# Altium PCB IntelligentCarFor51PcbDoc.PcbDoc (part 8 of 14) (continued)
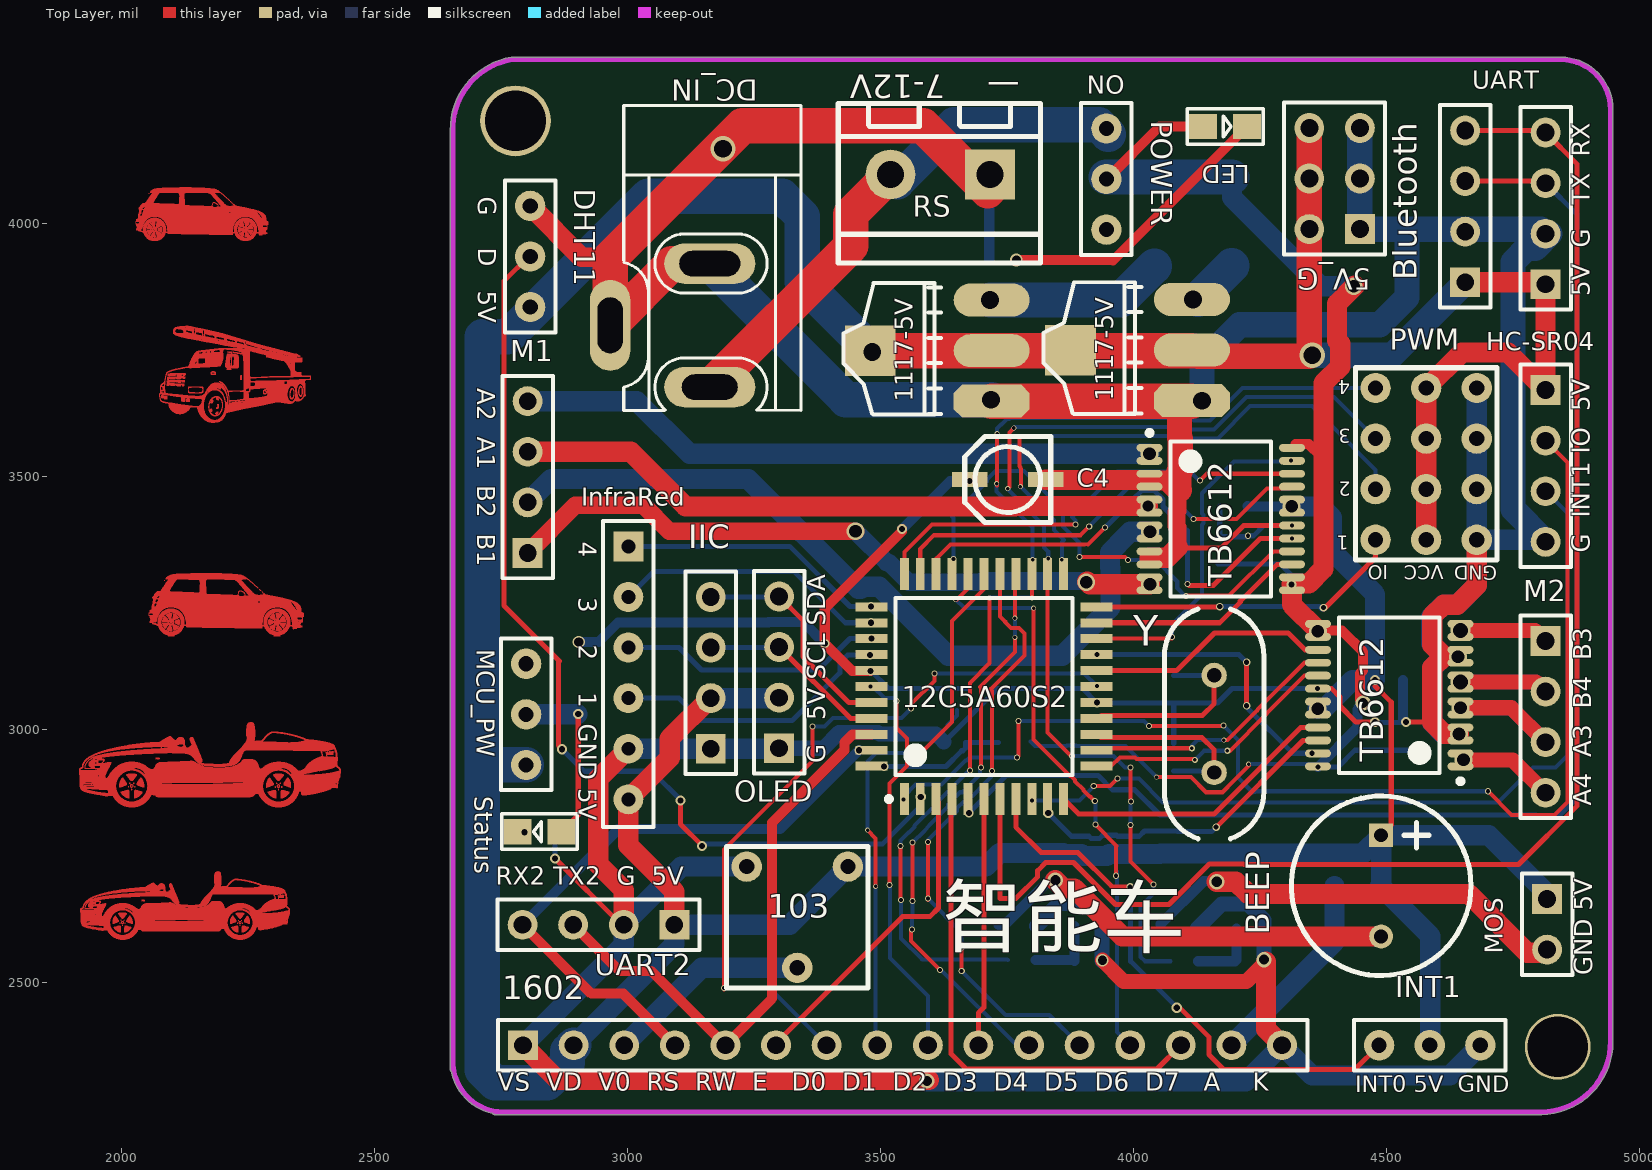
[diagram p0: Top Layer view]
## Nets (pads, with @x,y where several pads share a name; then routed paths per layer and width w, separated by ;. In a path a pad name is that pad's centre, name@x,y a point inside that pad or via, vN(x,y) a via of type N, cw(c..) or ccw(c..) an arc to the next point about the centre after c; other vN are vias at no path point) (continued)
2079.8,3229.5 ; 2078.05,3236.5 2080.5,3236.5 ; 2078.05,3243.85 2086.45,3243.85 ; 2078.05,3271.15 2142.1,3271.15 ; 2078.05,3271.85 2120.4,3271.85 ; 2078.05,3274.3 2095.2,3274.3 ; 2078.4,3195.55 2080.15,3195.55 ; 2078.4,3198.35 2085.05,3198.35 ; 2078.4,3198.7 2084.7,3198.7 ; 2078.4,3226.7 2084.7,3226.7 ; 2078.4,3227.05 2085.05,3227.05 ; 2078.4,3229.85 2080.15,3229.85 ; 2078.4,3236.15 2079.8,3236.15 ; 2078.4,3238.6 2083.3,3238.6 ; 2078.4,3244.2 2087.15,3244.2 ; 2078.4,3272.2 2109.2,3272.2 ; 2078.4,3274.65 2079.45,3274.65 ; 2078.4,3275 2079.8,3275 ; 2078.75,3195.2 2080.5,3195.2 ; 2078.75,3198 2085.4,3198 ; 2078.75,3227.4 2085.4,3227.4 ; 2078.75,3230.2 2080.5,3230.2 ; 2078.75,3235.8 2079.45,3235.8 ; 2078.75,3238.95 2083.65,3238.95 ; 2078.75,3244.55 2088.55,3244.55 ; 2078.75,3272.9 2096.25,3272.9 ; 2078.75,3275.35 2095.55,3275.35 ; 2078.75,3275.7 2095.55,3275.7 ; 2079.1,3194.85 2080.85,3194.85 ; 2079.1,3197.65 2085.75,3197.65 ; 2079.1,3227.75 2085.75,3227.75 ; 2079.1,3230.55 2080.85,3230.55 ; 2079.1,3230.9 2081.2,3230.9 ; 2079.1,3239.3 2084.35,3239.3 ; 2079.1,3273.6 2095.55,3273.6 ; 2079.1,3276.05 2095.55,3276.05 ; 2079.45,3194.5 2081.2,3194.5 ; 2079.45,3196.95 2086.8,3196.95 ; 2079.45,3197.3 2086.45,3197.3 ; 2079.45,3228.1 2086.45,3228.1 ; 2079.45,3228.45 2086.8,3228.45 ; 2079.45,3239.65 2085.05,3239.65 ; 2079.45,3244.9 2089.6,3244.9 ; 2079.45,3273.95 2095.2,3273.95 ; 2079.45,3276.4 2080.5,3276.4 ; 2079.8,3193.8 2081.9,3193.8 ; 2079.8,3194.15 2081.55,3194.15 ; 2079.8,3196.6 2087.15,3196.6 ; 2079.8,3228.8 2087.15,3228.8 ; 2079.8,3231.25 2081.9,3231.25 ; 2079.8,3240 2085.4,3240 ; 2079.8,3245.25 2091.7,3245.25 ; 2079.8,3270.1 2101.85,3270.1 ; 2079.8,3274.65 2095.2,3274.65 ; 2079.8,3276.75 2095.9,3276.75 ; 2079.8,3277.1 2080.85,3277.1 ; 2080.15,3196.25 2087.85,3196.25 ; 2080.15,3229.15 2087.85,3229.15 ; 2080.15,3231.6 2081.9,3231.6 ; 2080.15,3275 2095.55,3275 ; 2080.15,3277.45 2096.25,3277.45 ; 2080.5,3193.45 2082.6,3193.45 ; 2080.5,3195.9 2088.55,3195.9 ; 2080.5,3229.5 2088.2,3229.5 ; 2080.5,3231.95 2082.6,3231.95 ; 2080.5,3240.35 2086.45,3240.35 ; 2080.5,3245.6 2093.8,3245.6 ; 2080.5,3277.8 2081.2,3277.8 ; 2080.5,3278.15 2081.55,3278.15 ; 2080.85,3193.1 2082.95,3193.1 ; 2080.85,3195.55 2088.9,3195.55 ; 2080.85,3229.85 2088.9,3229.85 ; 2080.85,3232.3 2082.95,3232.3 ; 2080.85,3240.7 2087.15,3240.7 ; 2080.85,3245.95 2116.55,3245.95 ; 2080.85,3276.4 2095.55,3276.4 ; 2080.85,3278.5 2081.9,3278.5 ; 2080.85,3278.85 2081.9,3278.85 ; 2081.2,3192.75 2083.3,3192.75 ; 2081.2,3195.2 2089.6,3195.2 ; 2081.2,3209.9 2091,3209.9 ; 2081.2,3210.25 2091,3210.25 ; 2081.2,3210.6 2090.65,3210.6 ; 2081.2,3214.1 2088.9,3214.1 ; 2081.2,3214.45 2090.65,3214.45 ; 2081.2,3214.8 2090.65,3214.8 ; 2081.2,3215.15 2091,3215.15 ; 2081.2,3215.5 2091,3215.5 ; 2081.2,3215.85 2091,3215.85 ; 2081.2,3230.2 2089.6,3230.2 ; 2081.2,3232.65 2083.3,3232.65 ; 2081.2,3277.1 2095.9,3277.1 ; 2081.2,3279.2 2082.25,3279.2 ; 2081.55,3192.4 2084,3192.4 ; 2081.55,3194.85 2090.3,3194.85 ; 2081.55,3208.15 2092.05,3208.15 ; 2081.55,3208.5 2091.7,3208.5 ; 2081.55,3208.85 2091.7,3208.85 ; 2081.55,3209.2 2091.35,3209.2 ; 2081.55,3209.55 2091,3209.55 ; 2081.55,3216.2 2091.35,3216.2 ; 2081.55,3216.55 2091.35,3216.55 ; 2081.55,3216.9 2091.7,3216.9 ; 2081.55,3217.25 2092.05,3217.25 ; 2081.55,3230.55 2090.3,3230.55 ; 2081.55,3233 2084,3233 ; 2081.55,3241.05 2087.85,3241.05 ; 2081.55,3246.3 2116.2,3246.3 ; 2081.55,3277.8 2096.25,3277.8 ; 2081.55,3279.55 2097.3,3279.55 ; 2081.55,3279.9 2082.6,3279.9 ; 2081.9,3192.05 2084.35,3192.05 ; 2081.9,3194.5 2091.35,3194.5 ; 2081.9,3207.1 2092.4,3207.1 ; 2081.9,3207.45 2092.4,3207.45 ; 2081.9,3207.8 2092.4,3207.8 ; 2081.9,3217.6 2092.05,3217.6 ; 2081.9,3217.95 2091.7,3217.95 ; 2081.9,3218.3 2091.35,3218.3 ; 2081.9,3230.9 2091.35,3230.9 ; 2081.9,3233.35 2084.35,3233.35 ; 2081.9,3241.4 2088.9,3241.4 ; 2081.9,3278.15 2096.6,3278.15 ; 2081.9,3280.25 2097.65,3280.25 ; 2082.25,3206.05 2091.35,3206.05 ; 2082.25,3206.4 2091.7,3206.4 ; 2082.25,3206.75 2092.05,3206.75 ; 2082.25,3218.65 2091.35,3218.65 ; 2082.25,3219 2091,3219 ; 2082.25,3219.35 2090.65,3219.35 ; 2082.25,3231.25 2092.4,3231.25 ; 2082.25,3246.65 2115.5,3246.65 ; 2082.25,3278.5 2096.6,3278.5 ; 2082.25,3278.85 2096.95,3278.85 ; 2082.25,3280.6 2098,3280.6 ; 2082.25,3280.95 2083.3,3280.95 ; 2082.6,3191.7 2085.05,3191.7 ; 2082.6,3194.15 2092.4,3194.15 ; 2082.6,3205.35 2091,3205.35 ; 2082.6,3205.7 2091,3205.7 ; 2082.6,3219.7 2090.3,3219.7 ; 2082.6,3220.05 2089.95,3220.05 ; 2082.6,3233.7 2085.05,3233.7 ; 2082.6,3241.75 2090.3,3241.75 ; 2082.6,3279.2 2097.3,3279.2 ; 2082.6,3281.3 2083.65,3281.3 ; 2082.95,3191.35 2085.4,3191.35 ; 2082.95,3193.8 2093.45,3193.8 ; 2082.95,3204.65 2090.3,3204.65 ; 2082.95,3205 2090.65,3205 ; 2082.95,3220.4 2089.95,3220.4 ; 2082.95,3220.75 2089.6,3220.75 ; 2082.95,3231.6 2093.45,3231.6 ; 2082.95,3234.05 2085.4,3234.05 ; 2082.95,3247 2114.8,3247 ; 2082.95,3279.9 2097.65,3279.9 ; 2082.95,3281.65 2098.7,3281.65 ; 2083.3,3193.45 2095.55,3193.45 ; 2083.3,3204.3 2089.95,3204.3 ; 2083.3,3221.1 2089.25,3221.1 ; 2083.3,3221.45 2088.9,3221.45 ; 2083.3,3231.95 2095.2,3231.95 ; 2083.3,3242.1 2091.7,3242.1 ; 2083.3,3282 2084,3282 ; 2083.3,3282.35 2084.35,3282.35 ; 2083.65,3191 2086.1,3191 ; 2083.65,3193.1 2112.7,3193.1 ; 2083.65,3203.6 2089.6,3203.6 ; 2083.65,3203.95 2089.95,3203.95 ; 2083.65,3221.8 2088.55,3221.8 ; 2083.65,3232.3 2112.7,3232.3 ; 2083.65,3234.4 2086.1,3234.4 ; 2083.65,3247.35 2113.75,3247.35 ; 2083.65,3280.95 2098,3280.95 ; 2083.65,3282.7 2099.4,3282.7 ; 2083.65,3283.05 2084.7,3283.05 ; 2084,3190.65 2086.8,3190.65 ; 2084,3202.9 2089.25,3202.9 ; 2084,3203.25 2089.25,3203.25 ; 2084,3222.15 2088.55,3222.15 ; 2084,3222.5 2088.2,3222.5 ; 2084,3234.75 2086.8,3234.75 ; 2084,3242.45 2093.8,3242.45 ; 2084,3281.3 2098.35,3281.3 ; 2084,3283.4 2085.05,3283.4 ; 2084.35,3192.75 2112.35,3192.75 ; 2084.35,3202.55 2088.9,3202.55 ; 2084.35,3222.85 2087.85,3222.85 ; 2084.35,3232.65 2112.35,3232.65 ; 2084.35,3247.7 2113.05,3247.7 ; 2084.35,3282 2098.7,3282 ; 2084.35,3283.75 2099.75,3283.75 ; 2084.35,3284.1 2085.4,3284.1 ; 2084.7,3190.3 2087.5,3190.3 ; 2084.7,3192.4 2111.65,3192.4 ; 2084.7,3202.2 2088.55,3202.2 ; 2084.7,3223.2 2087.5,3223.2 ; 2084.7,3233 2111.65,3233 ; 2084.7,3235.1 2087.15,3235.1 ; 2084.7,3242.8 2111.65,3242.8 ; 2084.7,3282.35 2099.05,3282.35 ; 2084.7,3284.45 2085.75,3284.45 ; 2085.05,3189.95 2088.2,3189.95 ; 2085.05,3201.85 2088.2,3201.85 ; 2085.05,3223.55 2087.15,3223.55 ; 2085.05,3248.05 2112.35,3248.05 ; 2085.05,3283.05 2099.4,3283.05 ; 2085.05,3284.8 2100.45,3284.8 ; 2085.05,3285.15 2100.8,3285.15 ; 2085.05,3295.3 2085.4,3295.3 ; 2085.4,3192.05 2111.3,3192.05 ; 2085.4,3201.15 2087.85,3201.15 ; 2085.4,3201.5 2087.85,3201.5 ; 2085.4,3223.9 2086.8,3223.9 ; 2085.4,3224.25 2086.45,3224.25 ; 2085.4,3233.35 2111.3,3233.35 ; 2085.4,3235.45 2088.2,3235.45 ; 2085.4,3243.15 2110.95,3243.15 ; 2085.4,3283.4 2099.75,3283.4 ; 2085.4,3285.5 2086.45,3285.5 ; 2085.75,3189.6 2088.9,3189.6 ; 2085.75,3191.7 2110.6,3191.7 ; 2085.75,3200.8 2087.5,3200.8 ; 2085.75,3224.6 2086.45,3224.6 ; 2085.75,3233.7 2110.6,3233.7 ; 2085.75,3235.8 2088.9,3235.8 ; 2085.75,3284.1 2100.1,3284.1 ; 2085.75,3285.85 2101.15,3285.85 ; 2085.75,3286.2 2086.8,3286.2 ; 2086.1,3200.45 2087.15,3200.45 ; 2086.1,3248.4 2111.3,3248.4 ; 2086.1,3284.45 2100.45,3284.45 ; 2086.1,3286.55 2087.15,3286.55 ; 2086.45,3189.25 2089.95,3189.25 ; 2086.45,3191.35 2109.9,3191.35 ; 2086.45,3200.1 2087.15,3200.1 ; 2086.45,3234.05 2109.9,3234.05 ; 2086.45,3236.15 2089.95,3236.15 ; 2086.45,3243.5 2109.9,3243.5 ; 2086.45,3286.9 2101.85,3286.9 ; 2086.45,3287.25 2102.2,3287.25 ; 2086.8,3248.75 2110.25,3248.75 ; 2086.8,3285.5 2101.15,3285.5 ; 2086.8,3287.6 2087.85,3287.6 ; 2087.15,3188.9 2091,3188.9 ; 2087.15,3191 2109.2,3191 ; 2087.15,3234.4 2109.2,3234.4 ; 2087.15,3236.5 2091,3236.5 ; 2087.15,3286.2 2101.5,3286.2 ; 2087.15,3287.95 2088.2,3287.95 ; 2087.15,3288.3 2102.55,3288.3 ; 2087.5,3243.85 2108.85,3243.85 ; 2087.5,3286.55 2101.5,3286.55 ; 2087.5,3288.65 2102.9,3288.65 ; 2087.5,3298.1 2095.55,3298.1 ; 2087.85,3188.55 2092.05,3188.55 ; 2087.85,3190.65 2108.5,3190.65 ; 2087.85,3234.75 2108.5,3234.75 ; 2087.85,3236.85 2092.05,3236.85 ; 2087.85,3289 2088.9,3289 ; 2087.85,3298.45 2182,3298.45 ; 2088.2,3210.95 2090.65,3210.95 ; 2088.2,3249.1 2109.2,3249.1 ; 2088.2,3270.8 2168,3270.8 ; 2088.2,3287.6 2102.2,3287.6 ; 2088.2,3289.35 2103.25,3289.35 ; 2088.2,3289.7 2103.6,3289.7 ; 2088.2,3298.8 2095.9,3298.8 ; 2088.55,3190.3 2107.8,3190.3 ; 2088.55,3226.35 2099.4,3226.35 ; 2088.55,3226.7 2099.75,3226.7 ; 2088.55,3235.1 2107.8,3235.1 ; 2088.55,3244.2 2107.8,3244.2 ; 2088.55,3287.95 2102.55,3287.95 ; 2088.55,3290.05 2103.95,3290.05 ; 2088.55,3299.15 2121.45,3299.15 ; 2088.9,3188.2 2093.8,3188.2 ; 2088.9,3226 2099.4,3226 ; 2088.9,3227.05 2099.75,3227.05 ; 2088.9,3237.2 2093.8,3237.2 ; 2088.9,3290.4 2089.95,3290.4 ; 2088.9,3290.75 2104.3,3290.75 ; 2088.9,3299.5 2098,3299.5 ; 2088.9,3300.55 2246.05,3300.55 ; 2088.9,3300.9 2245.7,3300.9 ; 2089.25,3198 2100.45,3198 ; 2089.25,3198.35 2100.1,3198.35 ; 2089.25,3225.65 2099.4,3225.65 ; 2089.25,3227.4 2099.75,3227.4 ; 2089.25,3289 2103.25,3289 ; 2089.25,3291.1 2090.3,3291.1 ; 2089.25,3301.25 2245.35,3301.25 ; 2089.6,3189.95 2106.75,3189.95 ; 2089.6,3198.7 2100.1,3198.7 ; 2089.6,3225.3 2099.4,3225.3 ; 2089.6,3235.45 2107.1,3235.45 ; 2089.6,3237.55 2096.6,3237.55 ; 2089.6,3249.45 2107.8,3249.45 ; 2089.6,3291.45 2090.65,3291.45 ; 2089.95,3187.85 2096.6,3187.85 ; 2089.95,3197.65 2100.45,3197.65 ; 2089.95,3199.05 2100.1,3199.05 ; 2089.95,3224.95 2099.05,3224.95 ; 2089.95,3227.75 2099.75,3227.75 ; 2089.95,3244.55 2106.4,3244.55 ; 2089.95,3291.8 2091,3291.8 ; 2089.95,3292.15 2105,3292.15 ; 2090.3,3189.6 2106.05,3189.6 ; 2090.3,3199.4 2099.75,3199.4 ; 2090.3,3199.75 2099.75,3199.75 ; 2090.3,3224.6 2099.05,3224.6 ; 2090.3,3290.4 2103.95,3290.4 ; 2090.3,3292.5 2091.35,3292.5 ; 2090.65,3197.3 2100.45,3197.3 ; 2090.65,3200.1 2099.75,3200.1 ; 2090.65,3223.9 2099.05,3223.9 ; 2090.65,3224.25 2099.05,3224.25 ; 2090.65,3228.1 2099.75,3228.1 ; 2090.65,3235.8 2106.05,3235.8 ; 2090.65,3291.1 2104.3,3291.1 ; 2090.65,3292.85 2105.7,3292.85 ; 2090.65,3301.6 2244.65,3301.6 ; 2091,3187.5 2105.7,3187.5 ; 2091,3200.45 2099.75,3200.45 ; 2091,3223.55 2099.05,3223.55 ; 2091,3237.9 2105.35,3237.9 ; 2091,3291.45 2104.65,3291.45 ; 2091,3293.2 2091.7,3293.2 ; 2091,3293.55 2092.05,3293.55 ; 2091.35,3196.95 2100.45,3196.95 ; 2091.35,3200.8 2099.4,3200.8 ; 2091.35,3223.2 2098.7,3223.2 ; 2091.35,3228.45 2100.1,3228.45 ; 2091.35,3249.8 2106.05,3249.8 ; 2091.35,3291.8 2105,3291.8 ; 2091.35,3293.9 2092.4,3293.9 ; 2091.35,3301.95 2244.3,3301.95 ; 2091.7,3189.25 2104.65,3189.25 ; 2091.7,3201.15 2099.4,3201.15 ; 2091.7,3201.5 2099.4,3201.5 ; 2091.7,3222.85 2098.7,3222.85 ; 2091.7,3236.15 2105,3236.15 ; 2091.7,3244.9 2104.65,3244.9 ; 2091.7,3269.75 2113.4,3269.75 ; 2091.7,3292.5 2105.35,3292.5 ; 2091.7,3294.25 2106.4,3294.25 ; 2091.7,3302.3 2243.6,3302.3 ; 2092.05,3187.15 2104.3,3187.15 ; 2092.05,3201.85 2099.4,3201.85 ; 2092.05,3211.3 2092.75,3211.3 ; 2092.05,3211.65 2092.75,3211.65 ; 2092.05,3212 2092.4,3212 ; 2092.05,3212.35 2092.4,3212.35 ; 2092.05,3212.7 2092.4,3212.7 ; 2092.05,3213.05 2092.4,3213.05 ; 2092.05,3213.4 2092.4,3213.4 ; 2092.05,3213.75 2092.4,3213.75 ; 2092.05,3214.1 2092.75,3214.1 ; 2092.05,3214.45 2092.75,3214.45 ; 2092.05,3222.5 2098.7,3222.5 ; 2092.05,3238.25 2104.3,3238.25 ; 2092.05,3293.2 2105.7,3293.2 ; 2092.05,3294.6 2092.75,3294.6 ; 2092.05,3294.95 2093.1,3294.95 ; 2092.05,3302.65 2243.25,3302.65 ; 2092.4,3185.75 2104.3,3185.75 ; 2092.4,3196.6 2100.8,3196.6 ; 2092.4,3202.2 2099.05,3202.2 ; 2092.4,3210.25 2093.1,3210.25 ; 2092.4,3210.6 2092.75,3210.6 ; 2092.4,3210.95 2092.75,3210.95 ; 2092.4,3214.8 2092.75,3214.8 ; 2092.4,3215.15 2093.1,3215.15 ; 2092.4,3222.15 2098.7,3222.15 ; 2092.4,3228.8 2100.1,3228.8 ; 2092.4,3293.55 2106.05,3293.55 ; 2092.4,3295.3 2093.45,3295.3 ; 2092.4,3303 2242.55,3303 ; 2092.75,3202.55 2099.05,3202.55 ; 2092.75,3202.9 2099.05,3202.9 ; 2092.75,3209.55 2093.45,3209.55 ; 2092.75,3209.9 2093.1,3209.9 ; 2092.75,3215.5 2093.1,3215.5 ; 2092.75,3215.85 2093.45,3215.85 ; 2092.75,3221.8 2098.7,3221.8 ; 2092.75,3293.9 2106.4,3293.9 ; 2092.75,3295.65 2093.8,3295.65 ; 2092.75,3303.35 2241.85,3303.35 ; 2093.1,3188.9 2103.6,3188.9 ; 2093.1,3196.25 2100.8,3196.25 ; 2093.1,3203.25 2098.7,3203.25 ; 2093.1,3209.2 2093.45,3209.2 ; 2093.1,3212.35 2093.8,3212.35 ; 2093.1,3212.7 2093.8,3212.7 ; 2093.1,3216.2 2093.8,3216.2 ; 2093.1,3221.1 2098.35,3221.1 ; 2093.1,3221.45 2098.35,3221.45 ; 2093.1,3229.15 2100.1,3229.15 ; 2093.1,3236.5 2103.6,3236.5 ; 2093.1,3294.6 2106.75,3294.6 ; 2093.1,3296 2107.8,3296 ; 2093.1,3296.35 2094.15,3296.35 ; 2093.1,3297.75 2095.2,3297.75 ; 2093.45,3203.6 2098.7,3203.6 ; 2093.45,3208.85 2093.8,3208.85 ; 2093.45,3210.95 2094.15,3210.95 ; 2093.45,3211.3 2094.15,3211.3 ; 2093.45,3211.65 2093.8,3211.65 ; 2093.45,3212 2093.8,3212 ; 2093.45,3213.05 2093.8,3213.05 ; 2093.45,3213.4 2093.8,3213.4 ; 2093.45,3213.75 2093.8,3213.75 ; 2093.45,3214.1 2094.15,3214.1 ; 2093.45,3214.45 2094.15,3214.45 ; 2093.45,3216.55 2093.8,3216.55 ; 2093.45,3216.9 2094.15,3216.9 ; 2093.45,3220.75 2098.35,3220.75 ; 2093.45,3250.15 2103.95,3250.15 ; 2093.45,3294.95 2106.75,3294.95 ; 2093.45,3296.7 2094.5,3296.7 ; 2093.45,3297.05 2108.85,3297.05 ; 2093.45,3297.4 2094.85,3297.4 ; 2093.45,3303.7 2241.5,3303.7 ; 2093.8,3203.95 2098.7,3203.95 ; 2093.8,3208.15 2094.85,3208.15 ; 2093.8,3208.5 2094.15,3208.5 ; 2093.8,3210.25 2094.5,3210.25 ; 2093.8,3210.6 2094.15,3210.6 ; 2093.8,3214.8 2094.15,3214.8 ; 2093.8,3215.15 2094.5,3215.15 ; 2093.8,3217.25 2094.5,3217.25 ; 2093.8,3220.4 2096.95,3220.4 ; 2093.8,3295.3 2107.1,3295.3 ; 2094.15,3186.8 2102.55,3186.8 ; 2094.15,3204.3 2098.7,3204.3 ; 2094.15,3207.8 2095.2,3207.8 ; 2094.15,3209.9 2094.85,3209.9 ; 2094.15,3215.5 2094.85,3215.5 ; 2094.15,3220.05 2095.55,3220.05 ; 2094.15,3238.6 2102.55,3238.6 ; 2094.15,3245.25 2101.85,3245.25 ; 2094.15,3295.65 2107.45,3295.65 ; 2094.15,3304.05 2240.8,3304.05 ; 2094.5,3186.1 2099.05,3186.1 ; 2094.5,3204.65 2098.7,3204.65 ; 2094.5,3205 2097.3,3205 ; 2094.5,3209.55 2095.2,3209.55 ; 2094.5,3215.85 2095.2,3215.85 ; 2094.5,3217.6 2095.2,3217.6 ; 2094.5,3219.7 2094.85,3219.7 ; 2094.5,3229.5 2100.1,3229.5 ; 2094.5,3296.35 2108.15,3296.35 ; 2094.85,3195.9 2100.8,3195.9 ; 2094.85,3205.35 2095.9,3205.35 ; 2094.85,3207.45 2095.9,3207.45 ; 2094.85,3209.2 2095.55,3209.2 ; 2094.85,3210.25 2095.55,3210.25 ; 2094.85,3210.6 2095.2,3210.6 ; 2094.85,3210.95 2095.55,3210.95 ; 2094.85,3216.2 2095.55,3216.2 ; 2094.85,3217.95 2095.9,3217.95 ; 2094.85,3296.7 2108.5,3296.7 ; 2094.85,3304.4 2240.1,3304.4 ; 2095.2,3188.55 2101.5,3188.55 ; 2095.2,3208.85 2095.9,3208.85 ; 2095.2,3209.9 2096.6,3209.9 ; 2095.2,3211.3 2096.25,3211.3 ; 2095.2,3214.8 2095.9,3214.8 ; 2095.2,3215.15 2095.55,3215.15 ; 2095.2,3215.5 2095.9,3215.5 ; 2095.2,3216.55 2095.9,3216.55 ; 2095.2,3236.85 2101.5,3236.85 ; 2095.2,3297.4 2109.9,3297.4 ; 2095.55,3207.1 2096.95,3207.1 ; 2095.55,3208.5 2096.95,3208.5 ; 2095.55,3214.45 2096.6,3214.45 ; 2095.55,3215.85 2096.95,3215.85 ; 2095.55,3216.9 2096.95,3216.9 ; 2095.55,3218.3 2096.95,3218.3 ; 2095.55,3297.75 2164.85,3297.75 ; 2095.55,3304.75 2239.4,3304.75 ; 2095.9,3186.45 2100.1,3186.45 ; 2095.9,3210.95 2096.6,3210.95 ; 2095.9,3298.1 2164.85,3298.1 ; 2096.25,3206.75 2100.1,3206.75 ; 2096.25,3208.15 2100.1,3208.15 ; 2096.25,3210.25 2096.6,3210.25 ; 2096.25,3210.6 2096.95,3210.6 ; 2096.25,3211.65 2097.65,3211.65 ; 2096.25,3212 2097.3,3212 ; 2096.25,3212.35 2096.95,3212.35 ; 2096.25,3212.7 2096.95,3212.7 ; 2096.25,3213.05 2096.95,3213.05 ; 2096.25,3213.4 2097.3,3213.4 ; 2096.25,3213.75 2097.65,3213.75 ; 2096.25,3214.8 2096.95,3214.8 ; 2096.25,3215.5 2096.95,3215.5 ; 2096.25,3217.25 2100.1,3217.25 ; 2096.25,3218.65 2100.1,3218.65 ; 2096.25,3298.8 2150.15,3298.8 ; 2096.6,3211.3 2099.75,3211.3 ; 2096.6,3214.1 2099.75,3214.1 ; 2096.6,3215.15 2096.95,3215.15 ; 2096.6,3305.1 2238.7,3305.1 ; 2096.95,3210.95 2099.4,3210.95 ; 2096.95,3214.45 2099.4,3214.45 ; 2097.3,3195.55 2098.35,3195.55 ; 2097.3,3207.8 2099.05,3207.8 ; 2097.3,3217.6 2099.05,3217.6 ; 2097.3,3229.85 2098,3229.85 ; 2097.3,3250.5 2098,3250.5 ; 2097.3,3300.2 2245.35,3300.2 ; 2097.3,3305.45 2237.3,3305.45 ; 2097.65,3214.8 2098.7,3214.8 ; 2098,3210.6 2098.35,3210.6 ; 2098,3250.85 2270.55,3250.85 ; 2098.35,3229.85 2098.7,3229.85 ; 2098.35,3305.8 2235.55,3305.8 ; 2098.7,3195.55 2099.05,3195.55 ; 2098.7,3211.65 2100.1,3211.65 ; 2098.7,3213.75 2100.1,3213.75 ; 2099.05,3212 2100.1,3212 ; 2099.05,3213.4 2100.1,3213.4 ; 2099.05,3229.85 2099.4,3229.85 ; 2099.4,3186.1 2101.85,3186.1 ; 2099.4,3207.1 2101.15,3207.1 ; 2099.4,3209.9 2100.1,3209.9 ; 2099.4,3210.25 2099.75,3210.25 ; 2099.4,3210.6 2100.1,3210.6 ; 2099.4,3212.35 2100.45,3212.35 ; 2099.4,3212.7 2100.45,3212.7 ; 2099.4,3213.05 2100.45,3213.05 ; 2099.4,3218.3 2101.15,3218.3 ; 2099.75,3187.85 2106.75,3187.85 ; 2099.75,3208.5 2100.8,3208.5 ; 2099.75,3209.55 2100.8,3209.55 ; 2099.75,3210.95 2101.15,3210.95 ; 2099.75,3214.45 2100.45,3214.45 ; 2099.75,3214.8 2100.1,3214.8 ; 2099.75,3215.15 2100.45,3215.15 ; 2099.75,3216.9 2100.8,3216.9 ; 2099.75,3237.55 2106.75,3237.55 ; 2099.75,3306.15 2233.1,3306.15 ; 2100.1,3214.1 2101.5,3214.1 ; 2100.1,3215.5 2101.15,3215.5 ; 2100.1,3270.45 2100.8,3270.45 ; 2100.45,3207.45 2101.5,3207.45 ; 2100.45,3208.85 2101.15,3208.85 ; 2100.45,3210.6 2101.15,3210.6 ; 2100.45,3216.55 2101.5,3216.55 ; 2100.45,3217.95 2101.5,3217.95 ; 2100.8,3209.9 2101.15,3209.9 ; 2100.8,3210.25 2101.5,3210.25 ; 2101.15,3207.8 2102.2,3207.8 ; 2101.15,3209.2 2101.85,3209.2 ; 2101.15,3214.45 2101.5,3214.45 ; 2101.15,3214.8 2101.85,3214.8 ; 2101.15,3215.15 2101.5,3215.15 ; 2101.15,3216.2 2101.85,3216.2 ; 2101.15,3217.6 2102.2,3217.6 ; 2101.15,3231.95 2113.05,3231.95 ; 2101.15,3306.5 2230.3,3306.5 ; 2101.5,3193.45 2113.05,3193.45 ; 2101.5,3205.35 2110.6,3205.35 ; 2101.5,3205.7 2109.9,3205.7 ; 2101.5,3209.55 2102.2,3209.55 ; 2101.5,3209.9 2102.2,3209.9 ; 2101.5,3215.85 2102.2,3215.85 ; 2101.5,3220.05 2110.25,3220.05 ; 2101.5,3220.4 2110.95,3220.4 ; 2101.5,3220.75 2112,3220.75 ; 2101.5,3221.1 2112.35,3221.1 ; 2101.5,3221.45 2113.05,3221.45 ; 2101.5,3245.6 2117.25,3245.6 ; 2101.85,3203.6 2112.7,3203.6 ; 2101.85,3203.95 2113.05,3203.95 ; 2101.85,3204.3 2113.05,3204.3 ; 2101.85,3204.65 2112,3204.65 ; 2101.85,3205 2111.3,3205 ; 2101.85,3208.15 2102.55,3208.15 ; 2101.85,3210.25 2102.55,3210.25 ; 2101.85,3215.15 2102.55,3215.15 ; 2101.85,3215.5 2102.2,3215.5 ; 2101.85,3217.25 2102.55,3217.25 ; 2101.85,3219.7 2109.55,3219.7 ; 2101.85,3221.8 2112.7,3221.8 ; 2101.85,3222.15 2112.7,3222.15 ; 2101.85,3222.5 2112.35,3222.5 ; 2101.85,3222.85 2112,3222.85 ; 2101.85,3223.2 2111.65,3223.2 ; 2101.85,3270.45 2168,3270.45 ; 2102.2,3202.2 2111.65,3202.2 ; 2102.2,3202.55 2112,3202.55 ; 2102.2,3202.9 2112.35,3202.9 ; 2102.2,3203.25 2112.7,3203.25 ; 2102.2,3206.05 2109.2,3206.05 ; 2102.2,3208.5 2102.9,3208.5 ; 2102.2,3210.6 2102.55,3210.6 ; 2102.2,3210.95 2102.9,3210.95 ; 2102.2,3214.45 2102.9,3214.45 ; 2102.2,3214.8 2102.9,3214.8 ; 2102.2,3216.9 2102.9,3216.9 ; 2102.2,3223.55 2111.65,3223.55 ; 2102.2,3223.9 2111.3,3223.9 ; 2102.2,3224.25 2110.95,3224.25 ; 2102.2,3224.6 2110.6,3224.6 ; 2102.2,3224.95 2110.25,3224.95 ; 2102.2,3242.45 2112.7,3242.45 ; 2102.55,3188.2 2107.8,3188.2 ; 2102.55,3200.8 2110.6,3200.8 ; 2102.55,3201.15 2110.95,3201.15 ; 2102.55,3201.5 2111.3,3201.5 ; 2102.55,3201.85 2111.65,3201.85 ; 2102.55,3208.85 2103.25,3208.85 ; 2102.55,3211.3 2102.9,3211.3 ; 2102.55,3211.65 2102.9,3211.65 ; 2102.55,3212 2103.25,3212 ; 2102.55,3212.35 2103.25,3212.35 ; 2102.55,3212.7 2103.25,3212.7 ; 2102.55,3213.05 2103.25,3213.05 ; 2102.55,3213.4 2103.25,3213.4 ; 2102.55,3213.75 2102.9,3213.75 ; 2102.55,3214.1 2102.9,3214.1 ; 2102.55,3216.55 2103.25,3216.55 ; 2102.55,3219.35 2108.85,3219.35 ; 2102.55,3225.3 2109.9,3225.3 ; 2102.55,3225.65 2109.55,3225.65 ; 2102.55,3226 2108.85,3226 ; 2102.55,3226.35 2108.5,3226.35 ; 2102.55,3226.7 2108.15,3226.7 ; 2102.55,3237.2 2107.8,3237.2 ; 2102.55,3269.4 2124.6,3269.4 ; 2102.9,3193.8 2113.75,3193.8 ; 2102.9,3199.4 2109.2,3199.4 ; 2102.9,3199.75 2109.55,3199.75 ; 2102.9,3200.1 2109.9,3200.1 ; 2102.9,3200.45 2110.25,3200.45 ; 2102.9,3206.4 2108.5,3206.4 ; 2102.9,3209.2 2103.6,3209.2 ; 2102.9,3209.55 2103.6,3209.55 ; 2102.9,3215.85 2103.6,3215.85 ; 2102.9,3216.2 2103.25,3216.2 ; 2102.9,3219 2108.15,3219 ; 2102.9,3227.05 2107.8,3227.05 ; 2102.9,3227.4 2107.1,3227.4 ; 2102.9,3227.75 2106.4,3227.75 ; 2102.9,3228.1 2105.7,3228.1 ; 2102.9,3228.45 2105,3228.45 ; 2102.9,3231.6 2113.75,3231.6 ; 2102.9,3306.85 2226.8,3306.85 ; 2103.25,3197.65 2106.4,3197.65 ; 2103.25,3198 2107.1,3198 ; 2103.25,3198.35 2107.45,3198.35 ; 2103.25,3198.7 2108.15,3198.7 ; 2103.25,3199.05 2108.85,3199.05 ; 2103.25,3206.75 2107.45,3206.75 ; 2103.25,3209.9 2103.95,3209.9 ; 2103.25,3215.15 2103.95,3215.15 ; 2103.25,3215.5 2103.95,3215.5 ; 2103.25,3218.65 2107.45,3218.65 ; 2103.25,3228.8 2104.3,3228.8 ; 2103.25,3250.5 2103.6,3250.5 ; 2103.6,3196.6 2104.3,3196.6 ; 2103.6,3196.95 2105,3196.95 ; 2103.6,3197.3 2105.7,3197.3 ; 2103.6,3207.1 2106.75,3207.1 ; 2103.6,3210.25 2103.95,3210.25 ; 2103.6,3210.6 2103.95,3210.6 ; 2103.6,3210.95 2104.3,3210.95 ; 2103.6,3214.45 2104.3,3214.45 ; 2103.6,3214.8 2104.3,3214.8 ; 2103.6,3218.3 2106.75,3218.3 ; 2103.95,3207.45 2106.05,3207.45 ; 2103.95,3211.3 2104.3,3211.3 ; 2103.95,3211.65 2104.3,3211.65 ; 2103.95,3212 2104.65,3212 ; 2103.95,3212.35 2104.65,3212.35 ; 2103.95,3212.7 2104.65,3212.7 ; 2103.95,3213.05 2104.65,3213.05 ; 2103.95,3213.4 2104.65,3213.4 ; 2103.95,3213.75 2104.3,3213.75 ; 2103.95,3214.1 2104.3,3214.1 ; 2103.95,3217.95 2105.7,3217.95 ; 2103.95,3231.25 2114.1,3231.25 ; 2103.95,3250.5 2279.3,3250.5 ; 2104.3,3188.55 2108.5,3188.55 ; 2104.3,3194.15 2114.1,3194.15 ; 2104.3,3207.8 2105,3207.8 ; 2104.3,3217.6 2105,3217.6 ; 2104.3,3236.85 2108.5,3236.85 ; 2104.3,3242.1 2113.4,3242.1 ; 2104.65,3245.25 2117.95,3245.25 ; 2105,3307.2 2222.95,3307.2 ; 2105.35,3188.9 2109.2,3188.9 ; 2105.35,3194.5 2114.45,3194.5 ; 2105.35,3230.9 2114.45,3230.9 ; 2105.35,3236.5 2109.2,3236.5 ; 2106.05,3194.85 2114.8,3194.85 ; 2106.05,3210.95 2115.15,3210.95 ; 2106.05,3211.3 2115.5,3211.3 ; 2106.05,3211.65 2115.5,3211.65 ; 2106.05,3212 2115.5,3212 ; 2106.05,3212.35 2115.5,3212.35 ; 2106.05,3212.7 2115.5,3212.7 ; 2106.05,3213.05 2115.5,3213.05 ; 2106.05,3213.4 2115.5,3213.4 ; 2106.05,3213.75 2115.5,3213.75 ; 2106.05,3214.1 2115.5,3214.1 ; 2106.05,3214.45 2115.15,3214.45 ; 2106.05,3230.55 2114.8,3230.55 ; 2106.05,3241.75 2114.1,3241.75 ; 2106.05,3250.15 2290.5,3250.15 ; 2106.4,3236.15 2109.9,3236.15 ; 2106.4,3244.9 2118.3,3244.9 ; 2106.75,3189.25 2109.9,3189.25 ; 2106.75,3195.2 2115.15,3195.2 ; 2106.75,3210.6 2115.15,3210.6 ; 2106.75,3214.8 2115.15,3214.8 ; 2106.75,3230.2 2115.15,3230.2 ; 2107.1,3215.15 2115.15,3215.15 ; 2107.45,3189.6 2110.6,3189.6 ; 2107.45,3195.55 2115.5,3195.55 ; 2107.45,3210.25 2115.15,3210.25 ; 2107.45,3229.85 2115.5,3229.85 ; 2107.45,3235.8 2110.6,3235.8 ; 2107.45,3241.4 2114.45,3241.4 ; 2107.8,3215.5 2115.15,3215.5 ; 2107.8,3244.55 2118.65,3244.55 ; 2107.8,3249.8 2332.85,3249.8 ; 2108.15,3189.95 2111.3,3189.95 ; 2108.15,3195.9 2115.85,3195.9 ; 2108.15,3209.9 2115.15,3209.9 ; 2108.15,3229.5 2115.85,3229.5 ; 2108.15,3235.45 2111.3,3235.45 ; 2108.15,3307.55 2219.45,3307.55 ; 2108.5,3241.05 2115.15,3241.05 ; 2108.85,3196.25 2116.2,3196.25 ; 2108.85,3209.55 2115.15,3209.55 ; 2108.85,3215.85 2115.15,3215.85 ; 2108.85,3229.15 2116.2,3229.15 ; 2108.85,3249.45 2291.2,3249.45 ; 2109.2,3190.3 2112,3190.3 ; 2109.2,3196.6 2116.55,3196.6 ; 2109.2,3216.2 2115.15,3216.2 ; 2109.2,3228.8 2116.55,3228.8 ; 2109.2,3235.1 2112,3235.1 ; 2109.2,3244.2 2119.35,3244.2 ; 2109.55,3196.95 2116.9,3196.95 ; 2109.55,3209.2 2115.15,3209.2 ; 2109.55,3228.45 2116.9,3228.45 ; 2109.55,3240.7 2115.85,3240.7 ; 2109.9,3190.65 2112.35,3190.65 ; 2109.9,3216.55 2114.8,3216.55 ; 2109.9,3234.75 2112.35,3234.75 ; 2110.25,3191 2113.05,3191 ; 2110.25,3197.3 2117.25,3197.3 ; 2110.25,3208.85 2114.8,3208.85 ; 2110.25,3228.1 2117.25,3228.1 ; 2110.25,3243.85 2119.7,3243.85 ; 2110.6,3197.65 2117.25,3197.65 ; 2110.6,3227.75 2117.25,3227.75 ; 2110.6,3234.4 2113.05,3234.4 ; 2110.6,3240.35 2116.2,3240.35 ; 2110.6,3249.1 2291.55,3249.1 ; 2110.95,3191.35 2113.4,3191.35 ; 2110.95,3198 2117.6,3198 ; 2110.95,3208.5 2114.8,3208.5 ; 2110.95,3216.9 2114.8,3216.9 ; 2110.95,3227.4 2117.6,3227.4 ; 2110.95,3234.05 2113.4,3234.05 ; 2110.95,3243.5 2120.4,3243.5 ; 2111.3,3198.35 2117.95,3198.35 ; 2111.3,3227.05 2117.95,3227.05 ; 2111.3,3240 2116.9,3240 ; 2111.3,3248.75 2291.9,3248.75 ; 2111.65,3191.7 2114.1,3191.7 ; 2111.65,3198.7 2118.3,3198.7 ; 2111.65,3208.15 2114.8,3208.15 ; 2111.65,3217.25 2114.8,3217.25 ; 2111.65,3226.7 2118.3,3226.7 ; 2111.65,3233.7 2114.1,3233.7 ; 2112,3192.05 2114.45,3192.05 ; 2112,3199.05 2118.3,3199.05 ; 2112,3233.35 2114.45,3233.35 ; 2112,3239.65 2117.25,3239.65 ; 2112,3243.15 2120.75,3243.15 ; 2112.35,3199.4 2118.65,3199.4 ; 2112.35,3207.8 2114.8,3207.8 ; 2112.35,3217.6 2114.8,3217.6 ; 2112.35,3226 2118.65,3226 ; 2112.35,3226.35 2118.3,3226.35 ; 2112.35,3248.4 2292.25,3248.4 ; 2112.7,3192.4 2114.8,3192.4 ; 2112.7,3199.75 2119,3199.75 ; 2112.7,3225.65 2119,3225.65 ; 2112.7,3233 2114.8,3233 ; 2112.7,3239.3 2117.95,3239.3 ; 2112.7,3242.8 2121.1,3242.8 ; 2112.7,3270.1 2166.25,3270.1 ; 2113.05,3192.75 2115.15,3192.75 ; 2113.05,3200.1 2119,3200.1 ; 2113.05,3207.45 2114.45,3207.45 ; 2113.05,3217.95 2114.45,3217.95 ; 2113.05,3225.3 2119,3225.3 ; 2113.05,3232.65 2115.15,3232.65 ; 2113.05,3248.05 2320.95,3248.05 ; 2113.4,3193.1 2115.5,3193.1 ; 2113.4,3200.45 2119.35,3200.45 ; 2113.4,3224.95 2119.35,3224.95 ; 2113.4,3232.3 2115.85,3232.3 ; 2113.4,3238.95 2118.3,3238.95 ; 2113.4,3242.45 2121.45,3242.45 ; 2113.4,3269.05 2135.1,3269.05 ; 2113.75,3200.8 2119.35,3200.8 ; 2113.75,3207.1 2114.45,3207.1 ; 2113.75,3218.3 2114.45,3218.3 ; 2113.75,3224.6 2119.35,3224.6 ; 2113.75,3247.7 2292.6,3247.7 ; 2114.1,3193.45 2116.2,3193.45 ; 2114.1,3201.15 2119.7,3201.15 ; 2114.1,3201.5 2119.7,3201.5 ; 2114.1,3223.9 2119.7,3223.9 ; 2114.1,3224.25 2119.7,3224.25 ; 2114.1,3231.95 2116.2,3231.95 ; 2114.1,3238.6 2118.65,3238.6 ; 2114.1,3242.1 2121.8,3242.1 ; 2114.45,3193.8 2116.55,3193.8 ; 2114.45,3201.85 2120.05,3201.85 ; 2114.45,3223.55 2120.05,3223.55 ; 2114.45,3231.6 2116.55,3231.6 ; 2114.45,3238.25 2119,3238.25 ; 2114.8,3194.15 2116.9,3194.15 ; 2114.8,3202.2 2120.4,3202.2 ; 2114.8,3202.55 2120.4,3202.55 ; 2114.8,3222.85 2120.4,3222.85 ; 2114.8,3223.2 2120.4,3223.2 ; 2114.8,3231.25 2116.9,3231.25 ; 2114.8,3241.75 2122.15,3241.75 ; 2114.8,3247.35 2292.25,3247.35 ; 2114.8,3257.85 2125.65,3257.85 ; 2114.8,3258.2 2126,3258.2 ; 2114.8,3258.55 2126,3258.55 ; 2114.8,3258.9 2126,3258.9 ; 2114.8,3259.25 2126,3259.25 ; 2114.8,3259.6 2126,3259.6 ; 2114.8,3259.95 2126,3259.95 ; 2114.8,3260.3 2126,3260.3 ; 2114.8,3260.65 2126,3260.65 ; 2114.8,3268.7 2115.5,3268.7 ; 2115.15,3194.5 2117.25,3194.5 ; 2115.15,3202.9 2120.4,3202.9 ; 2115.15,3203.25 2120.75,3203.25 ; 2115.15,3222.15 2120.75,3222.15 ; 2115.15,3222.5 2120.4,3222.5 ; 2115.15,3230.9 2117.25,3230.9 ; 2115.15,3237.9 2119.35,3237.9 ; 2115.15,3241.4 2122.5,3241.4 ; 2115.15,3257.15 2125.65,3257.15 ; 2115.15,3257.5 2125.65,3257.5 ; 2115.15,3261 2125.65,3261 ; 2115.15,3261.35 2125.65,3261.35 ; 2115.5,3194.85 2117.25,3194.85 ; 2115.5,3203.6 2120.75,3203.6 ; 2115.5,3203.95 2121.1,3203.95 ; 2115.5,3221.45 2121.1,3221.45 ; 2115.5,3221.8 2120.75,3221.8 ; 2115.5,3230.55 2117.6,3230.55 ; 2115.5,3237.55 2119.7,3237.55 ; 2115.5,3247 2293.65,3247 ; 2115.5,3256.45 2125.3,3256.45 ; 2115.5,3256.8 2125.3,3256.8 ; 2115.5,3261.7 2125.3,3261.7 ; 2115.5,3262.05 2125.3,3262.05 ; 2115.85,3195.2 2117.95,3195.2 ; 2115.85,3204.3 2121.1,3204.3 ; 2115.85,3204.65 2121.1,3204.65 ; 2115.85,3220.75 2121.1,3220.75 ; 2115.85,3221.1 2121.1,3221.1 ; 2115.85,3230.2 2117.95,3230.2 ; 2115.85,3241.05 2123.2,3241.05 ; 2115.85,3256.1 2124.95,3256.1 ; 2115.85,3262.4 2124.95,3262.4 ; 2115.85,3262.75 2124.95,3262.75 ; 2115.85,3307.9 2213.85,3307.9 ; 2116.2,3195.55 2117.95,3195.55